# Altium PCB PCB1.PcbDoc (continued)
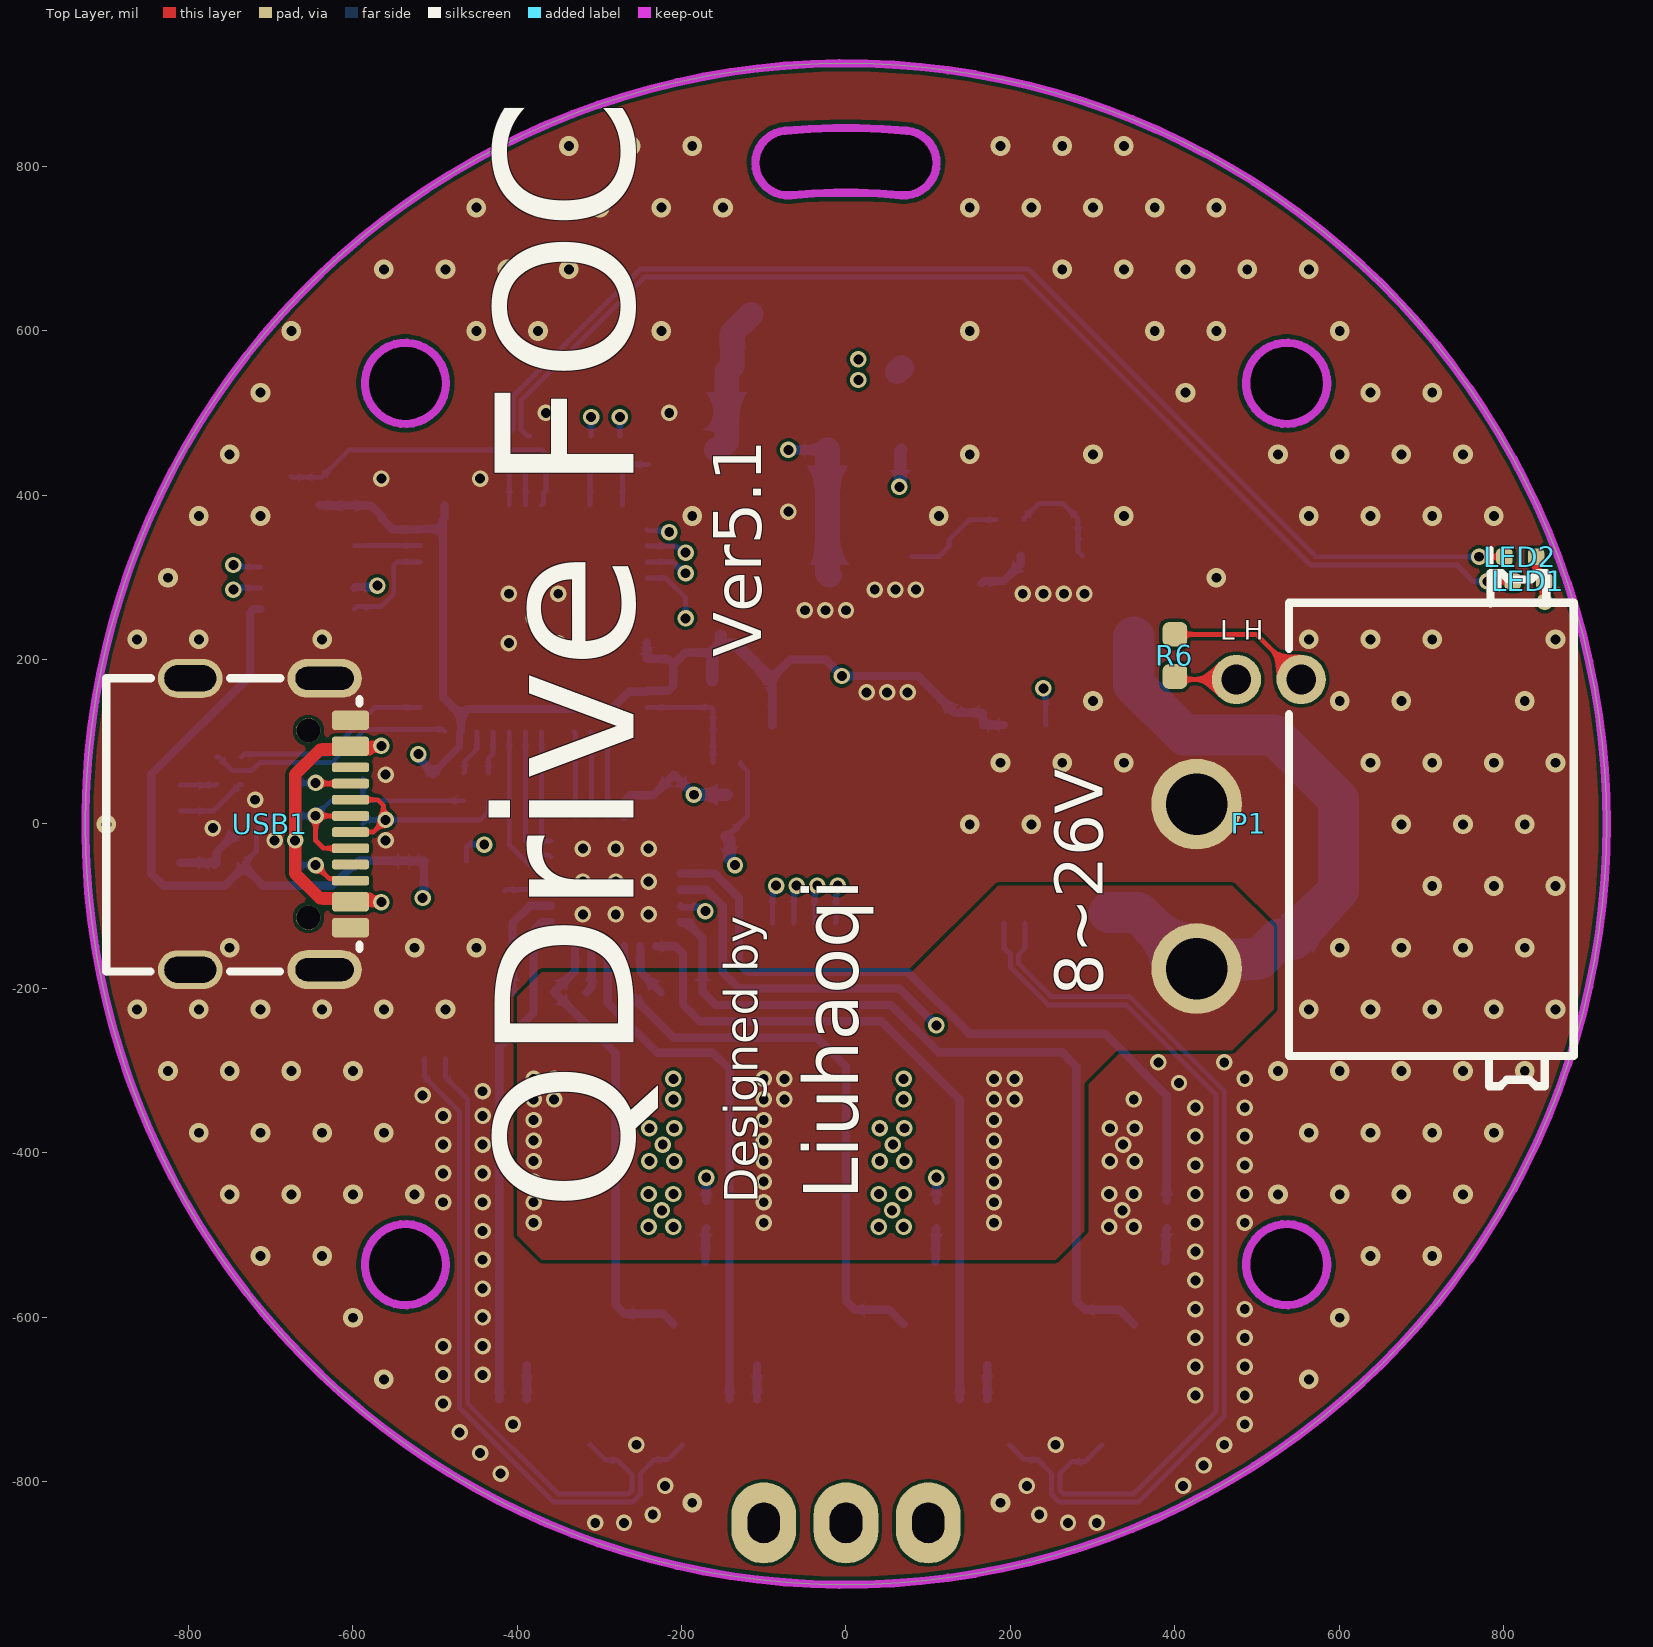
[diagram p0: Top Layer view]
## Components (designator, comment, footprint, x,y, rotation, side; value= is the part's Value field where it differs from the comment)
C1 "22UF@35V" C1206_NS 280,-390 r0 bottom
C2 "22UF@35V" C1206_NS 0,-390 r0 bottom
C3 "22UF@35V" C1206_NS -280,-390 r0 bottom
C4 "10UF@35V" C0805_NS 320,-70 r90 bottom
C5 "22UF@35V" C1206_NS 280,-470 r0 bottom
C6 "22UF@35V" C1206_NS -280,-470 r0 bottom
C7 "22UF@35V" C1206_NS 0,-470 r0 bottom
C8 "10UF@35V" C0805_NS 280,-320 r0 bottom
C9 "10UF@35V" C0805_NS -280,-320 r0 bottom
C10 "10UF@35V" C0805_NS 0,-320 r0 bottom
C11 "1UF" C0402_NS -135,380 r180 bottom
C12 "1UF" C0402_NS -145,175 r180 bottom
C13 "0.1UF" C0402_NS -595,-65 r90 bottom
C14 "0.1UF" C0402_NS 130,120 r90 bottom
C15 "1UF" C0603_NS -380,-205 r180 bottom
C16 "0.1UF" C0402_NS 165,275 r270 bottom
C17 "10UF" C0805_NS -20,265 r90 bottom
C18 "4.7UF@35V" C0805_NS 350,265 r270 bottom
C19 "10UF@25V" C0603_NS -235,60 r0 bottom
C20 "0.1UF" C0402_NS -520,60 r180 bottom
C21 "1UF" C0603_NS -290,-205 r180 bottom
C22 "0.1UF" C0402_NS -145,140 r0 bottom
C23 "0.1UF" C0402_NS -605,405 r90 bottom
C24 "0.1UF" C0402_NS -345,455 r270 bottom
C25 "0.1UF" C0402_NS -240,455 r90 bottom
C26 "1UF" C0603_NS -200,-205 r180 bottom
C27 "0.1UF" C0402_NS -675,405 r90 bottom
C28 "0.1UF" C0402_NS -75,175 r180 bottom
C29 "1UF" C0603_NS -90,620 r180 bottom
D1 "SMF26A" SOD-123 545,-70 r270 bottom
D2 "MM1Z20" SOD-123 135,455 r180 bottom
D3 "PESD5V0F1BL" DFN1002-2L_L1.0_W0.6_P0.7 -740,0 r90 bottom
D4 "K24" SOD-123 -90,455 r0 bottom
D5 "SMF6CA" SOD-123 135,555 r180 bottom
D6 "PESD5V0F1BL" DFN1002-2L_L1.0_W0.6_P0.7 -600,0 r180 bottom
D7 "PESD5V0F1BL" DFN1002-2L_L1.0_W0.6_P0.7 -600,55 r180 bottom
JP1 "CON-4P" HC0.8-WT-4P -845,0 r90 bottom locked
L1 "10uH" NR3015 80,280 r90 bottom
L2 "22nH@0.5A" L0402_NS -750,-50 r180 bottom
L3 "1uH@1A" L1206_NS -90,550 r180 bottom
LED1 "红色" LED0402_NS 830,295 r180 top
LED2 "绿色" LED0402_NS 820,325 r180 top
P1 "XT30(2+2)" XT30(2+2)PW-M 490,0 r90 top locked
Q1 "WSD3066DN33" DFN8_L3.3_W3.3_P0.65 -350,-595 r180 bottom
Q2 "WSD3066DN33" DFN8_L3.3_W3.3_P0.65 -210,-595 r0 bottom
Q3 "WSD3066DN33" DFN8_L3.3_W3.3_P0.65 -70,-595 r180 bottom
Q4 "WSD3066DN33" DFN8_L3.3_W3.3_P0.65 70,-595 r0 bottom
Q5 "WSD3066DN33" DFN8_L3.3_W3.3_P0.65 210,-595 r180 bottom
Q6 "WSD3066DN33" DFN8_L3.3_W3.3_P0.65 350,-595 r0 bottom
R1 "50mR" R1206_NS -255,-755 r0 bottom
R2 "50mR" R1206_NS 255,-755 r0 bottom
R3 "0R" R0402_NS -405,-700 r0 bottom
R4 "40K/NC" R0402_NS -415,-65 r90 bottom
R5 "0R" R0402_NS -170,-475 r270 bottom
R6 "120R/NC" R0603_NS 400,205 r90 top
R7 "2K" R0402_NS 265,370 r180 bottom
R8 "10K" R0402_NS 200,370 r0 bottom
R9 "0R" R0402_NS -125,-700 r0 bottom
R10 "1.2K" R0603_NS -145,10 r90 bottom
R11 "2K" R0402_NS -385,455 r90 bottom
R12 "5.1K" R0402_NS -415,455 r90 bottom
R13 "75K" R0402_NS -145,75 r0 bottom
R14 "100R" R0402_NS -310,455 r90 bottom
R15 "10K" R0402_NS -145,105 r180 bottom
R16 "100R" R0402_NS -275,455 r90 bottom
R17 "0R" R0402_NS 110,-475 r270 bottom
R18 "0R" R0402_NS 155,-700 r0 bottom
R19 "10K" R0402_NS -640,405 r270 bottom
R20 "100R" R0402_NS -735,65 r270 bottom
R21 "100R" R0402_NS -765,65 r270 bottom
R22 "5.1K" R0402_NS -685,50 r0 bottom
R23 "5.1K" R0402_NS -685,-50 r0 bottom
R24 "0R" R0402_NS 390,-475 r270 bottom
R25 "0R" R0402_NS -435,45 r90 bottom
R26 "0R" R0402_NS -465,45 r90 bottom
R27 "1.5K" R0402_NS -685,10 r180 bottom
U1 "LN1134A332MR" SOT23-5_L3.0_W1.7_P0.95 -115,280 r270 bottom
U2 "INA240A1" TSSOP8_L4.4_W3.0_P0.65 -500,-165 r90 bottom
U3 "INA240A1" TSSOP8_L4.4_W3.0_P0.65 205,0 r90 bottom
U4 "RY8411" SOT23-6_L3.0_W1.7_P0.95 250,275 r270 bottom
U5 "DRV8300D" QFN24_L4.0_W4.0_P0.5 -280,-70 r0 bottom
U6 "SIT1051ATK/3" DFN8_L3.0_W3.0_P0.65 -655,300 r270 bottom
U7 "STM32G431CBU6" QFN48_L7.0_W7.0_P0.5 -380,250 r0 bottom
U8 "MT6825" TSSOP16_L5.0_W4.4_P0.65 0,0 r90 bottom
USB1 "USB_Type-C_16P_F" USB_Type-C_SMD_16P_F -700,0 r90 top locked

## Footprints (in the part's own frame and the unit in brackets; to place one, negate y for a bottom-side part, rotate by r counter-clockwise, add the part's x,y. Pads: shape width x height; smd on the part's side, far side on the other; paste and mask are expansions set on the pad)
C0402_NS [mm] "贴片MLCC电容-无丝印"
  rrect50% 0.4x0.5 smd: 1(-0.45,0) 2(0.45,0)
  silkscreen extent -0.17,-0.23 0.17,0.23, body extent -0.5,-0.26 0.5,0.26, height 0.54
C0603_NS [mil] "贴片MLCC电容-无丝印"
  rrect50% 30x30 smd: 1(-25.59,0) 2(25.59,0)
  silkscreen extent -3,-9 3,9, body extent -31,-16 31,16, height 33
C0805_NS [mil] "贴片MLCC电容-无丝印"
  rrect50% 35x50 smd: 1(-37.4,0) 2(37.4,0)
  silkscreen extent -10,-15 10,15, body extent -39,-24 39,24, height 22
C1206_NS [mil] "贴片MLCC电容-无丝印"
  rrect50% 55x62 smd: 1(-56.1,0) 2(56.1,0)
  silkscreen extent -20,-25 20,25, body extent -64,-32 62,32, height 50
DFN8_L3.0_W3.0_P0.65 [mm] "8脚，长x宽x高：3.0x3.0x0.8mm，脚距：0.65mm"
  rrect50% 0.3x0.7 smd: 1(-0.975,-1.45) 2(-0.325,-1.45) 3(0.325,-1.45) 4(0.975,-1.45) 5(0.975,1.45) 6(0.325,1.45) 7(-0.325,1.45) 8(-0.975,1.45)
  rrect20% 2.15x1.2 smd: 9(0,0)
  silkscreen extent -1.65,-2.29 1.55,1.53, body extent -1.5,-1.53 1.5,1.49, height 0.91
DFN8_L3.3_W3.3_P0.65 [mm] "8脚，长x宽x高：3.3x3.3x0.8mm，脚距：0.65mm"
  rrect50% 0.401x0.75 smd paste+0: 1(-0.975,-1.605) 2(-0.325,-1.605) 3(0.325,-1.605) 4(0.975,-1.605)
  rrect50% 0.401x0.856 smd: 5(-0.975,1.478) 6(-0.325,1.478) 7(0.325,1.478) 8(0.975,1.478)
  rrect20% 2.449x1.928 smd: 9(0.003,0.341)
  silkscreen extent -1.65,-2.29 1.65,1.64, body extent -1.5,-1.53 1.5,1.49, height 0.91
DFN1002-2L_L1.0_W0.6_P0.7 [mm] "2脚，长x宽x高：1.0x0.6x0.5mm，脚距：0.7mm"
  rrect20% 0.4x0.6 smd: 1(-0.325,0) 2(0.325,0)
  silkscreen extent -0.7,-0.42 0.7,0.42, body extent -0.51,-0.31 0.51,0.31, height 0.48
HC0.8-WT-4P [mm] "HC0.8连接器-卧贴-4P"
  rrect50% 1x1.5 smd: 0(-2.35,-0.898) 0(2.35,-0.898)
  rrect50% 0.45x1.208 smd: 1(-1.2,0.898) 2(-0.4,0.898) 3(0.4,0.898) 4(1.2,0.898)
  silkscreen extent -2.83,-1.72 2.83,1.8, body extent -2.75,-1.73 2.75,1.09, height 1.85
L0402_NS [mm] "小功率贴片电感"
  rrect50% 0.4x0.5 smd: 1(-0.45,0) 2(0.45,0)
  body extent -0.5,-0.25 0.5,0.25, height 0.5
L1206_NS [mil] "小功率贴片电感"
  rrect50% 55x62 smd: 1(-55.12,0) 2(55.11,0)
  body extent -63,-31 63,31, height 35
LED0402_NS [mil] "0402LED"
  rrect50% 20x20 smd: 1(-19.23,0) 2(19.23,0)
  silkscreen extent 36,-10 36,10, body extent -20,-10 20,10, height 8
NR3015 [mm] "3.0mm*3.0mm*1.5mm(长*宽*高）"
  rrect50% 0.8x2.7 smd: 1(-1.15,0) 2(1.15,0)
  silkscreen extent -1.78,-1.65 1.78,1.65, body extent -1.5,-1.5 1.5,1.5, height 1.6
QFN24_L4.0_W4.0_P0.5 [mm] "24脚，长x宽x高：4.0x4.0x1.0mm，脚距：0.5mm"
  rrect50% 0.28x0.8 smd: 1(-1.25,-2) 2(-0.75,-2) 3(-0.25,-2) 4(0.25,-2) 5(0.75,-2) 6(1.25,-2) 13(1.25,2) 14(0.75,2) 15(0.25,2) 16(-0.25,2) 17(-0.75,2) 18(-1.25,2)
  rrect50% 0.8x0.28 smd: 7(2,-1.25) 8(2,-0.75) 9(2,-0.25) 10(2,0.25) 11(2,0.75) 12(2,1.25) 19(-2,1.25) 20(-2,0.75) 21(-2,0.25) 22(-2,-0.25) 23(-2,-0.75) 24(-2,-1.25)
  rrect20% 2.5x2.5 smd: 25(0,0)
  silkscreen extent -2.11,-2.67 2.11,2.11, body extent -2.01,-2.01 2.01,2.01, height 0.95
QFN48_L7.0_W7.0_P0.5 [mm] "48脚，长x宽x高：7.0x7.0x1.0mm，脚距：0.5mm"
  rrect50% 0.28x0.8 smd: 1(-2.75,-3.5) 2(-2.25,-3.5) 3(-1.75,-3.5) 4(-1.25,-3.5) 5(-0.75,-3.5) 6(-0.25,-3.5) 7(0.25,-3.5) 8(0.75,-3.5) 9(1.25,-3.5) 10(1.75,-3.5) 11(2.25,-3.5) 12(2.75,-3.5) 25(2.75,3.5) 26(2.25,3.5) 27(1.75,3.5) 28(1.25,3.5) 29(0.75,3.5) 30(0.25,3.5) 31(-0.25,3.5) 32(-0.75,3.5) 33(-1.25,3.5) 34(-1.75,3.5) 35(-2.25,3.5) 36(-2.75,3.5)
  rrect50% 0.8x0.28 smd: 13(3.5,-2.75) 14(3.5,-2.25) 15(3.5,-1.75) 16(3.5,-1.25) 17(3.5,-0.75) 18(3.5,-0.25) 19(3.5,0.25) 20(3.5,0.75) 21(3.5,1.25) 22(3.5,1.75) 23(3.5,2.25) 24(3.5,2.75) 37(-3.5,2.75) 38(-3.5,2.25) 39(-3.5,1.75) 40(-3.5,1.25) 41(-3.5,0.75) 42(-3.5,0.25) 43(-3.5,-0.25) 44(-3.5,-0.75) 45(-3.5,-1.25) 46(-3.5,-1.75) 47(-3.5,-2.25) 48(-3.5,-2.75)
  rrect20% 5.1x5.1 smd: 49(0,0)
  silkscreen extent -3.6,-4.19 3.6,3.6, body extent -3.51,-3.51 3.51,3.51, height 1
R0402_NS [mm] "1/16W贴片电阻-无丝印"
  rrect50% 0.4x0.5 smd: 1(-0.425,0) 2(0.425,0)
  silkscreen extent -0.17,-0.24 0.17,0.24, body extent -0.5,-0.25 0.5,0.25, height 0.3
R0603_NS [mil] "1/10W贴片电阻-无丝印"
  rrect50% 30x30 smd: 1(-25.59,0) 2(25.59,0)
  body extent -31,-16 32,16, height 16
R1206_NS [mil] "1/4W贴片电阻-无丝印"
  rrect50% 55x62 smd: 1(-56.1,0) 2(56.1,0)
  silkscreen extent -16,-4 16,4, body extent -63,-31 63,31, height 22
SOD-123 [mil] "2.7x1.6X1.1mm（长宽高，不包括引脚）"
  rrect50% 55x50 smd: 1(-67.5,0) 2(67.5,0)
  silkscreen extent -60,-38 60,38, body extent -73,-31 73,31, height 50
SOT23-5_L3.0_W1.7_P0.95 [mm] "5脚，长x宽x高：3.0x1.7x1.45mm，脚距：0.95mm"
  rrect50% 1x0.5 smd: 1(-1.3,0.95) 2(-1.3,0) 3(-1.3,-0.95) 4(1.3,-0.95) 5(1.3,0.95)
  silkscreen extent -1.27,-1.55 0.3,1.9, body extent -1.4,-1.5 1.4,1.5, height 1.15
SOT23-6_L3.0_W1.7_P0.95 [mm] "6脚，长x宽x高：3.0x1.7x1.45mm，脚距：0.95mm"
  rrect50% 1x0.5 smd: 1(-1.3,0.95) 2(-1.3,0) 3(-1.3,-0.95) 4(1.3,-0.95) 5(1.3,0) 6(1.3,0.95)
  silkscreen extent -1.27,-1.55 0.3,1.9, body extent -1.4,-1.5 1.4,1.5, height 1.15
TSSOP8_L4.4_W3.0_P0.65 [mm] "8脚，长x宽x高：4.4x3.0x1.0mm，脚距：0.65mm"
  oval 1.4x0.3 smd: 1(-3.054,0.975) 2(-3.054,0.325) 3(-3.054,-0.325) 4(-3.054,-0.975) 5(3.054,-0.975) 6(3.054,-0.325) 7(3.054,0.325) 8(3.054,0.975)
  silkscreen extent -2.67,-1.27 1.78,1.78, body extent -3.19,-1.58 3.09,1.42, height 1.12
TSSOP16_L5.0_W4.4_P0.65 [mm] "16脚，长x宽x高：5.0x4.4x1.0mm，脚距：0.65mm"
  oval 1.4x0.3 smd: 1(-3.054,2.275) 2(-3.054,1.625) 3(-3.054,0.975) 4(-3.054,0.325) 5(-3.054,-0.325) 6(-3.054,-0.975) 7(-3.054,-1.625) 8(-3.054,-2.275) 9(3.046,-2.275) 10(3.046,-1.625) 11(3.046,-0.975) 12(3.046,-0.325) 13(3.046,0.325) 14(3.046,0.975) 15(3.046,1.625) 16(3.046,2.275)
  silkscreen extent -2.79,-2.54 2.03,3.05, body extent -3.2,-2.5 3.2,2.5, height 1.03
USB_Type-C_SMD_16P_F [mm] "USB_Type-C贴片母座16P"
  oval 1.2x2.3 hole 0.7 slot 1.8 at 90 deg: 0(-4.5,-1.675) 0(4.5,-1.675)
  oval 1.2x2 hole 0.8 slot 1.6 at 90 deg: 0(-4.5,2.475) 0(4.5,2.475)
  rrect50% 0.4x1.15 smd: A1(3.3,-2.473) A4(2.5,-2.471) A9(-2.5,-2.475) A12(-3.3,-2.475) B1(-3.1,-2.475) B4(-2.3,-2.475) B9(2.3,-2.471) B12(3.1,-2.473)
  rrect50% 0.3x1.15 smd: A5(1.25,-2.475) A6(0.25,-2.475) A7(-0.25,-2.473) B5(-1.75,-2.475) B6(-0.75,-2.475) B7(0.75,-2.473)
  rrect50% 0.3x1.148 smd: A8(1.75,-2.475) B8(-1.25,-2.475)
  round 0.75 hole 0.75 unplated: ""(-2.89,-1.175) ""(2.89,-1.175)
  silkscreen extent -4.56,-2.75 4.5,5.08, body extent -4.44,-2.87 4.5,5.03, height 3.25
XT30(2+2)PW-M [mil]
  round 110.24 hole 74.8 paste-99999 mask+1.97: 1(-175.79,63.59) 2(24.21,63.59)
  round 60 hole 36 paste-99999 mask+1.97: 3(175.79,15.15) 4(175.79,-63.59)
  silkscreen extent -319,-395 305,-49, body extent -312,-398 298,95, height 204

## Part data
C1 C2 C3 C4 C5 C6 C7 C8 C9 C10 C11 C12 C13 C14 C15 C16 C17 C18 C19 C20 C21 C22 C23 C24 C25 C26 C27 C28 C29: library part C, "贴片电容/MLCC电容", BOM名称=MLCC
D1 D5: library part TVS, "TVS通用", BOM名称=TVS
D2: library part MM1ZXX, "稳压二极管", Power Dissipation (Pd)=500mW, Voltage=5.1V, BOM名称=稳压二极管
D3 D6 D7: "双向静电和浪涌保护(TVS/ESD)", BOM名称=PESD5V0F1BL
D4: library part SSXX, "肖特基二极管", BOM名称=肖特基二极管, 属性=个位*10V/十位A
JP1: library part "Header 4", "4P连接器", BOM名称=4P连接器
L1: library part L-NR, "太诱-NR磁胶电感", BOM名称=NR磁胶电感
L2 L3: library part L, "小功率贴片电感", BOM名称=小功率贴片电感
LED1 LED2: library part LED, "贴片LED", BOM名称=贴片LED
P1: "XT30(2+2)连接器"
Q1 Q2 Q3 Q4 Q5 Q6: "类型:N沟道;漏源电压(Vdss):30V;连续漏极电流(Id):50A;导通电阻(RDS(on)Vgs,Id):5.7mΩ@10V,35A;阈值电压(Vgs(th)@Id):2.5V@250uA;", Continuous Drain Current (Id)=50A, Drain Source On Resistance (RDS(on)@Vgs,Id)=5.7mΩ@10V,35A, Drain Source Voltage (Vdss)=30V, Gate Threshold Voltage (Vgs(th)@Id)=2.5V@250uA, LCSC Part Name="N沟道 30V 50A", Power Dissipation (Pd)=45W, Device=WSD3066DN33, Supplier Footprint="DFN 3.3x3.3-8", Type=N沟道
R1 R2 R3 R4 R5 R6 R7 R8 R9 R10 R11 R12 R13 R14 R15 R16 R17 R18 R19 R20 R21 R22 R23 R24 R25 R26 R27: library part R, "贴片电阻", BOM名称=贴片电阻
U1: library part RT9013-33GB
U2 U3: library part INA240, "具有增强的 PWM 抑制能力的 -4V 至 80V、双向、超精密电流感应放大器"
U4: library part JW5026, "40V/1A/1.1MHz同步降压转换器"
U5: "具有自举二极管的最大 100V 简单三相栅极驱动器"
U6: "5V 供电， IO 口兼容 3.3V，± 70V 总线耐压， CAN FD 静音模式总线收发器", Data Rate=5Mbps, Duplex=Half, Protocol=CAN, Type=Transceiver
U7: "Microcontroller 32-Bit ARM Cortex-M4 RISC 128KB Flash 1.71V to 3.6V QFN48", Ambient Temperature Range High=+85°C, Ambient Temperature Range Low=-40°C, Frequency=170MHz, Manufacturer=STMicroelectronics, Manufacturer Part Number=STM32G431CBT6, Max Junction Temp=+105°C, Max Supply Voltage=3.6V, Min Supply Voltage=1.62V, Package=LQFP48, Temperature="-40°C to +85°C", Automotive=No, Category=IC, ComponentLink2Description=Datasheet, ComponentLink2URL=https://www.st.com/resource/en/datasheet/stm32g431cb.pdf, Core Architecture="Arm Cortex-M4", Data Bus Width=32bits, Device Class L1="Integrated Circuits (ICs)", Device Class L2="Embedded Processors and Controllers", Device Class L3=Microcontrollers, Digikey Description="MAINSTREAM ARM CORTEX-M4+ MCU 17", Height=1.6mm, Interface=I2C,SPI,UART,USART,CAN,USB,LIN,IrDA,I2S, Lead Free=Yes, Memory Size=128KBytes, Memory Type=FLASH, Number Of A/D Converters=1, Number Of Adc Channels=17, Number Of Cores=1, Number Of I2C Channels=3, Number Of I/Os=38, Number Of Pwm Channels=31, Number Of Spi Channels=3, Number Of Timers/Counters=14, Number Of Uart Channels=4, Number Of Usb Channels=1, Octopart=https://octopart.com/stm32g431cbt6-stmicroelectronics-98835224, Ram Size=32KBytes, RoHS=TRUE, Standoff Height=0.05mm, Temperature Range High=+85°C, Temperature Range Low=-40°C
U8: "18位高分辨率、高速磁性角度编码器IC"
USB1: "USB_Type-C母座", BOM名称=USB_Type-C母座

## Free pads (board coordinates)
  oval 59.06x137.8 smd far side: 6(-100,-800) 6(0,-800) 6(100,-800)
  oval 78.74x98.43 hole 39.37 slot 49.21 at 90 deg: 7(-100,-850) 7(0,-850) 7(100,-850)

## Via types
v1: diameter 20, hole 12, Top Layer to Bottom Layer, tented both sides, 201 vias
v2: diameter 24, hole 12, Top Layer to Bottom Layer, tented both sides, 135 vias

## Nets (pads, with @x,y where several pads share a name; then routed paths per layer and width w, separated by ;. In a path a pad name is that pad's centre, name@x,y a point inside that pad or via, vN(x,y) a via of type N, cw(c..) or ccw(c..) an arc to the next point about the centre after c; other vN are vias at no path point)
+3.3: C12.2 C13.2 C14.2 C20.1 C23.1 C28.2 L2.1 LED1.1 LED2.1 R19.2 R27.2 U1.5 U2.5 U2.6 U3.5 U3.6 U6.5 U7.1 U7.20 U7.21 U7.23 U7.35 U7.48 U8.9 | length 3515.9
  Top Layer w10: LED2.1 840.5,323.74 840.5,303.74 LED1.1 849.23,270.77 v1(850,270)
  PowerAndSingle w10: v1(-520,85) -520,-82.29 -515,-87.29 v1(-515,-90) ; v1(-5,180) 90,180 150,120 700,120 v1(850,270)
  Bottom Layer w6: L2.1 -732.28,-48.03 -717.01,-32.76 -717.01,-7.24 -701.73,8.03 R27.2
  Bottom Layer w8: C20.1@-502.28,61.97 -470.09,94.16 -470.09,110.69 U7.35
  Bottom Layer w10: U6.5 -719.96,261.61 -725,256.57 -725,180 -845,60 -845,-60 -830,-75 -755.32,-75 -732.28,-51.97 -709.25,-75 -624.69,-75 -596.97,-47.29 C13.2 -592.48,-44.76 U2.5 U2.6 -513.14,-45.11 -513.14,-88.14 v1(-515,-90) ; R19.2 -639.02,387.28 C23.1 -577.59,387.28 -564.57,374.26 -564.57,371.29 -551.54,358.27 U7.48 -517.28,358.78 -490,358.78 ; v1(-520,85) -518.09,83.09 -518.09,78.51 -505.16,65.58 -505.16,62.87 C20.1 ; U7.1 -488.27,372.05 -490,370.31 -490,358.78 ; U7.35 -468.07,112.72 -468.07,132.28 ; U7.20 U7.21 -216.74,200.79 -210,194.05 ; -162.71,208.66 -195.39,208.66 -210,194.05 ; U8.9 C28.2@-89.57,169.88 ; C28.2@-87.87,179.84 -67.71,200 -25,200 v1(-5,180) 87.71,180 125.15,142.56 125.15,140.59 128.03,137.71 C14.2 ; C14.2@130.29,137.42 132.52,135.19 165.78,135.19 166.61,134.36 U3.5 U3.6 ; -490,358.78 -490,154.2 -468.07,132.28 ; -468.07,132.28 -460.35,140 -285,140 -264.09,160.91 -242.72,160.91 U7.23 -241.69,161.93 -216.74,161.93 -210,168.67 -210,194.05
  Bottom Layer w15: C12.2 -162.71,208.66 U1.5@-154.74,216.63 ; U1.5@-153.81,217.57 -133.32,217.57 -93.09,177.34 -93.09,175.37 C28.2 ; U1.5@-152.4,219.91 U1.5
+5: C11.2 C17.2 D4.2 L1.2 R8.1 U1.1 U1.3 U6.3 | length 1054.7
  PowerAndSingle w10: v1(-570,290) -570,370 -385,555 -170,555 v1(-70,455)
  Bottom Layer w6: L1.2 113.14,325.28 125.52,337.65 125.52,345.52 150,370 R8.1
  Bottom Layer w10: U6.3 -597.01,288.11 -571.89,288.11 v1(-570,290) ; v1(-70,455) D4.2
  Bottom Layer w30: D4.2 -22.5,304.9 C17.2
CAN_H: P1.4 R6.2 U6.7 | length 2007.4
  Top Layer w6: R6.2 498.78,230.59 P1.4@553.58,175.79
  PowerAndSingle w6: v1(-745,315) -743.96,315 -733.96,305 -710,305 -660,355 -660,546.97 -556.97,650 150,650 520,280 520,207 551.21,175.79 P1.4
  Bottom Layer w6: v1(-745,315) -742.8,312.8 U6.7
CAN_L: P1.3 R6.1 U6.6 | length 1885.2
  Top Layer w6: R6.1 403.62,175.79 P1.3
  PowerAndSingle w6: v1(-745,285) -743.96,285 -733.96,295 -705.86,295 -650,350.86 -650,540 -552,638 145.03,638 510,273.03 510,210.95 P1.3
  Bottom Layer w6: v1(-745,285) -742.8,287.2 U6.6
CAN_R: U6.4 U7.46 | length 124.3
  Bottom Layer w6: U6.4 -595.22,264.31 -565.69,264.31 -550,280 -550,314.86 -545.96,318.9 U7.46
CAN_T: U6.1 U7.47 | length 80.2
  Bottom Layer w6: U6.1 -584.13,338.39 -583.94,338.58 U7.47
CC1: R22.2 USB1.A5 | length 66
  Top Layer w6: v1(-645,50) -644.21,49.21 USB1.A5
  Bottom Layer w6: R22.2 v1(-645,50)
CC2: R23.2 USB1.B5 | length 73.5
  Top Layer w6: v1(-645,-50) -629.01,-65.99 -605.47,-65.99 USB1.B5
  Bottom Layer w6: R23.2 v1(-645,-50)
DM: D6.1 R25.1 USB1.A7 USB1.B7 | length 282.1
  Top Layer w6: USB1.A7 -579.98,-9.84 -574.84,-9.84 v1(-560,5) -562.68,7.68 -562.68,22.68 -569.53,29.53 USB1.B7
  Bottom Layer w6: D6.1 -587.21,0.13 -582.33,5 -445,5 -435,15 R25.1
DM_MCU: R25.2 U7.33 | length 52.9
  Bottom Layer w6: R25.2 -435,80 -429.21,85.79 U7.33
DP: D7.1 R26.1 R27.1 USB1.A6 USB1.B6 | length 354.2
  Top Layer w6: USB1.B6 -635.47,-29.53 -645,-20 v1(-645,10) -644.84,9.84 -625.21,9.84 USB1.A6
  Bottom Layer w6: R27.1 v1(-645,10) -626.73,28.27 -585,28.27 R26.1 ; -587.21,30.47 D7.1
DP_MCU: R26.2 U7.34 | length 57.1
  Bottom Layer w6: R26.2 -463.64,63.1 -463.64,76.36 -448.91,91.09 U7.34
GND: C1.2 C2.2 C3.2 C4.2 C5.2 C6.2 C7.2 C8.2 C9.2 C10.2 C11.1 C12.1 C13.1 C14.1 C17.1 C18.1 C19.1 C20.2 C22.2 C23.2 C24.1 C25.2 C27.1 C28.1 C29.1 D1.1 D2.1 D3.2 D5.1 D6.2 D7.2 JP1.0 JP1.2 P1.2 Q2.1 Q2.2 Q2.3 Q4.1 Q4.2 Q4.3 Q6.1 Q6.2 Q6.3 R4.2 R7.2 R15.1 R22.1 R23.1 U1.2 U2.4 U2.7 U3.4 U3.7 U4.2 U5.6 U5.25 U6.2 U6.8 U6.9 U7.49 U8.12 USB1.0 USB1.A1 USB1.A12 USB1.B1 USB1.B12
  other v1: -305,-850 -270,-850 270,-850 305,-850 -235,-840 235,-840 -220,-805 220,-805 410,-805 -420,-790 435,-780 -445,-765 -255,-755 255,-755 460,-755 -470,-740 -405,-730 485,-730 -490,-705 425,-695 485,-695 -490,-670 -442,-670 425,-660 485,-660 -490,-635 -442,-635 425,-625 485,-625 -442,-600 425,-590 485,-590 -442,-565 425,-555 -442,-530 425,-520 -442,-495 -240,-490 -210,-490 40,-490 70,-490 320,-490 350,-490 425,-485 485,-485 -223.9,-470 56.1,-470 336.1,-470 -490,-460 -442,-460 -240,-450 -210,-450 40,-450 70,-450 320,-450 350,-450 425,-450 485,-450 -490,-425 -442,-425 425,-415 485,-415 -239.02,-410 -209.02,-410 40.98,-410 70.98,-410 320.98,-410 350.98,-410 -490,-390 -442,-390 -222.91,-390 57.09,-390 337.09,-390 425,-380 485,-380 -239.02,-370 -209.02,-370 40.98,-370 70.98,-370 320.98,-370 350.98,-370 -490,-355 -442,-355 425,-345 485,-345 -210,-335 70,-335 350,-335 -515,-330 -442,-325 405,-315 -210,-310 70,-310 485,-310 380,-290 460,-290 -320,-110 -280,-110 -240,-110 -320,-70 -280,-70 -240,-70 -320,-30 -280,-30 -240,-30 -695,-20 -560,-20 -770,-5 -718.58,29.56 -560,60 25,160 50,160 75,160 -410,220 -350,220 -380,250 -50,260 -25,260 0,260 -410,280 -350,280 215,280 240,280 265,280 290,280 35,285 60,285 85,285 -70,380 -565,420 -445,420 -365,500 -215,500
  other v2: -187.07,-825.43 187.93,-825.43 -562.07,-675.43 562.93,-675.43 -599.57,-600.43 600.43,-600.43 -712.07,-525.43 -637.07,-525.43 637.93,-525.43 712.93,-525.43 -749.57,-450.43 -674.57,-450.43 -599.57,-450.43 -524.57,-450.43 525.43,-450.43 600.43,-450.43 675.43,-450.43 750.43,-450.43 -787.07,-375.43 -712.07,-375.43 -637.07,-375.43 -562.07,-375.43 562.93,-375.43 637.93,-375.43 712.93,-375.43 787.93,-375.43 -824.57,-300.43 -749.57,-300.43 -674.57,-300.43 -599.57,-300.43 525.43,-300.43 600.43,-300.43 675.43,-300.43 750.43,-300.43 825.43,-300.43 -862.07,-225.43 -787.07,-225.43 -712.07,-225.43 -637.07,-225.43 -562.07,-225.43 -487.07,-225.43 562.93,-225.43 637.93,-225.43 712.93,-225.43 787.93,-225.43 862.93,-225.43 -749.57,-150.43 -524.57,-150.43 -449.57,-150.43 600.43,-150.43 675.43,-150.43 750.43,-150.43 825.43,-150.43 712.93,-75.43 787.93,-75.43 862.93,-75.43 -899.57,-0.43 150.43,-0.43 225.43,-0.43 675.43,-0.43 750.43,-0.43 825.43,-0.43 187.93,74.57 262.93,74.57 337.93,74.57 637.93,74.57 712.93,74.57 787.93,74.57 862.93,74.57 300.43,149.57 600.43,149.57 675.43,149.57 825.43,149.57 -862.07,224.57 -787.07,224.57 -637.07,224.57 562.93,224.57 637.93,224.57 712.93,224.57 862.93,224.57 -824.57,299.57 450.43,299.57 -787.07,374.57 -712.07,374.57 -187.07,374.57 112.93,374.57 337.93,374.57 562.93,374.57 637.93,374.57 712.93,374.57 787.93,374.57 -749.57,449.57 150.43,449.57 300.43,449.57 525.43,449.57 600.43,449.57 675.43,449.57 750.43,449.57 -712.07,524.57 412.93,524.57 637.93,524.57 712.93,524.57 -674.57,599.57 -449.57,599.57 -374.57,599.57 -224.57,599.57 150.43,599.57 375.43,599.57 450.43,599.57 600.43,599.57 -562.07,674.57 -487.07,674.57 -412.07,674.57 -337.07,674.57 262.93,674.57 337.93,674.57 412.93,674.57 487.93,674.57 562.93,674.57 -449.57,749.57 -374.57,749.57 -299.57,749.57 -224.57,749.57 -149.57,749.57 150.43,749.57 225.43,749.57 300.43,749.57 375.43,749.57 450.43,749.57 -337.07,824.57 -262.07,824.57 -187.07,824.57 187.93,824.57 262.93,824.57 337.93,824.57